# Altium PCB ADC.PcbDoc
Units mm, origin at the board's own origin, x right, y up, seen from the top; angles counter-clockwise.
Board outline 60 x 60 mm, 2 copper layers (Top Layer, Bottom Layer); 26 components, 29 nets, 129 pads, 34 vias.
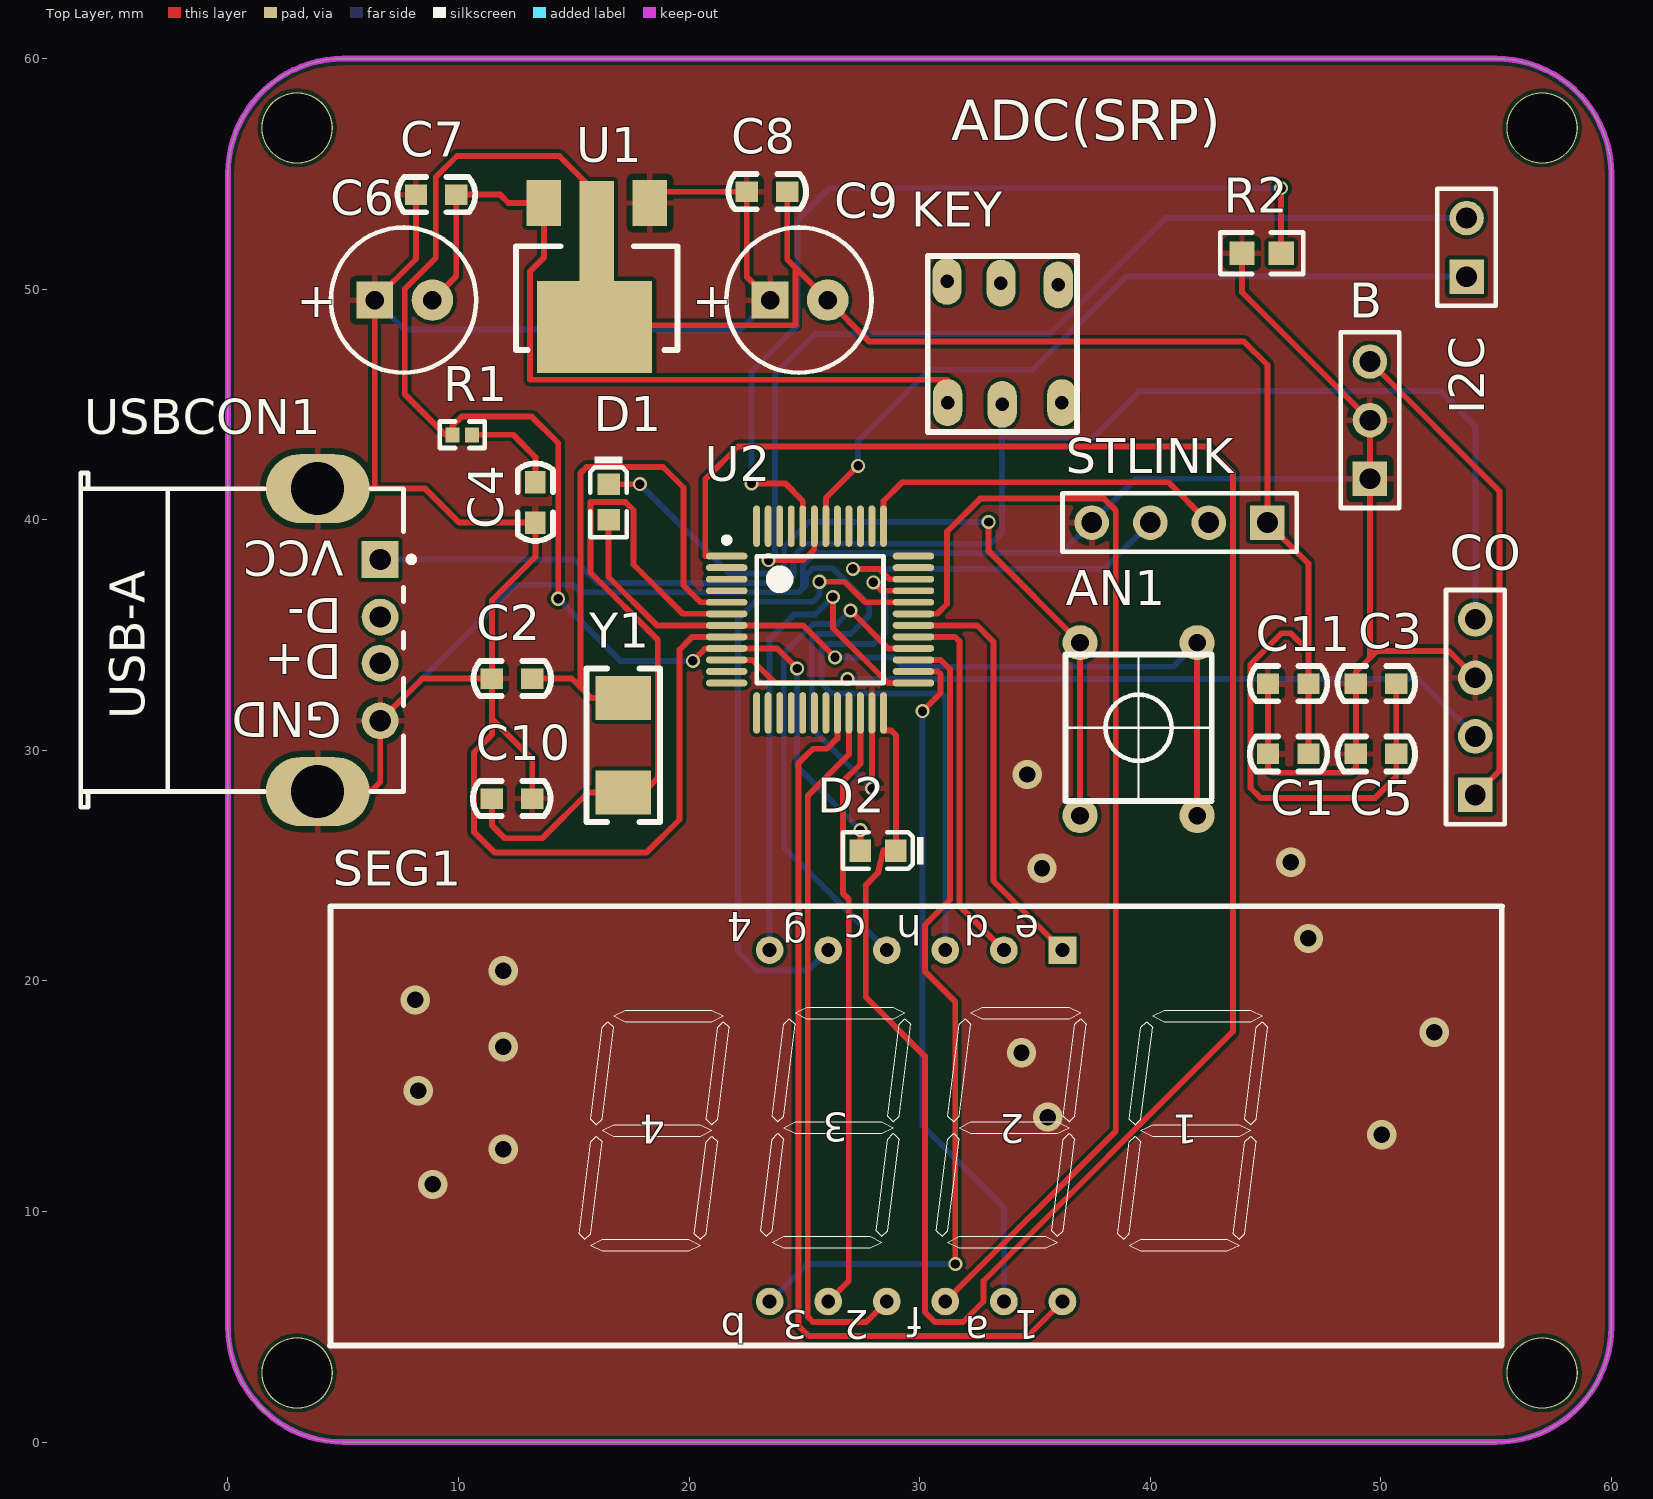
[diagram p0: Top Layer view]
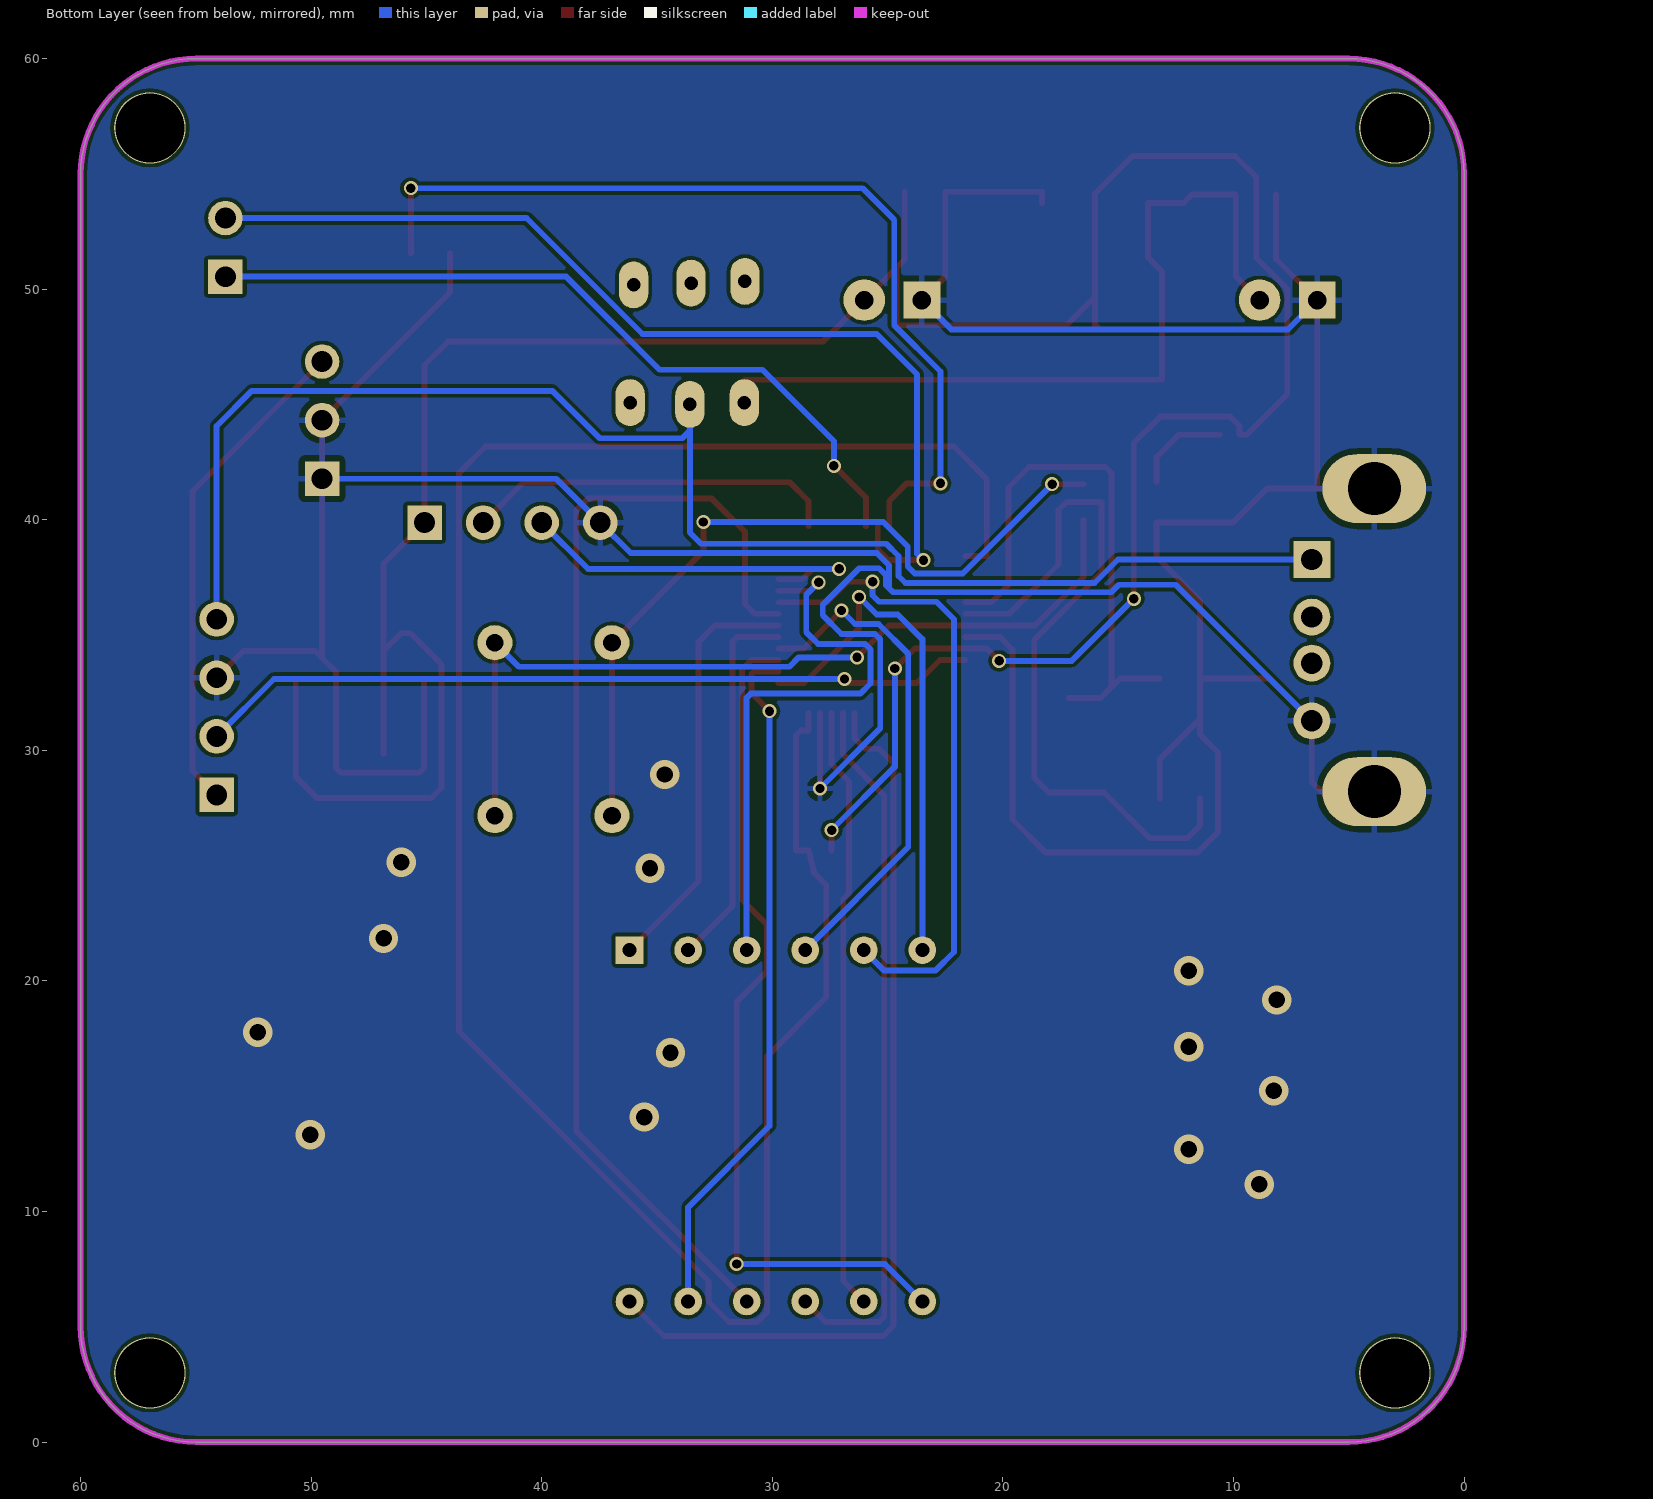
[diagram p1: Bottom Layer view, seen from below]
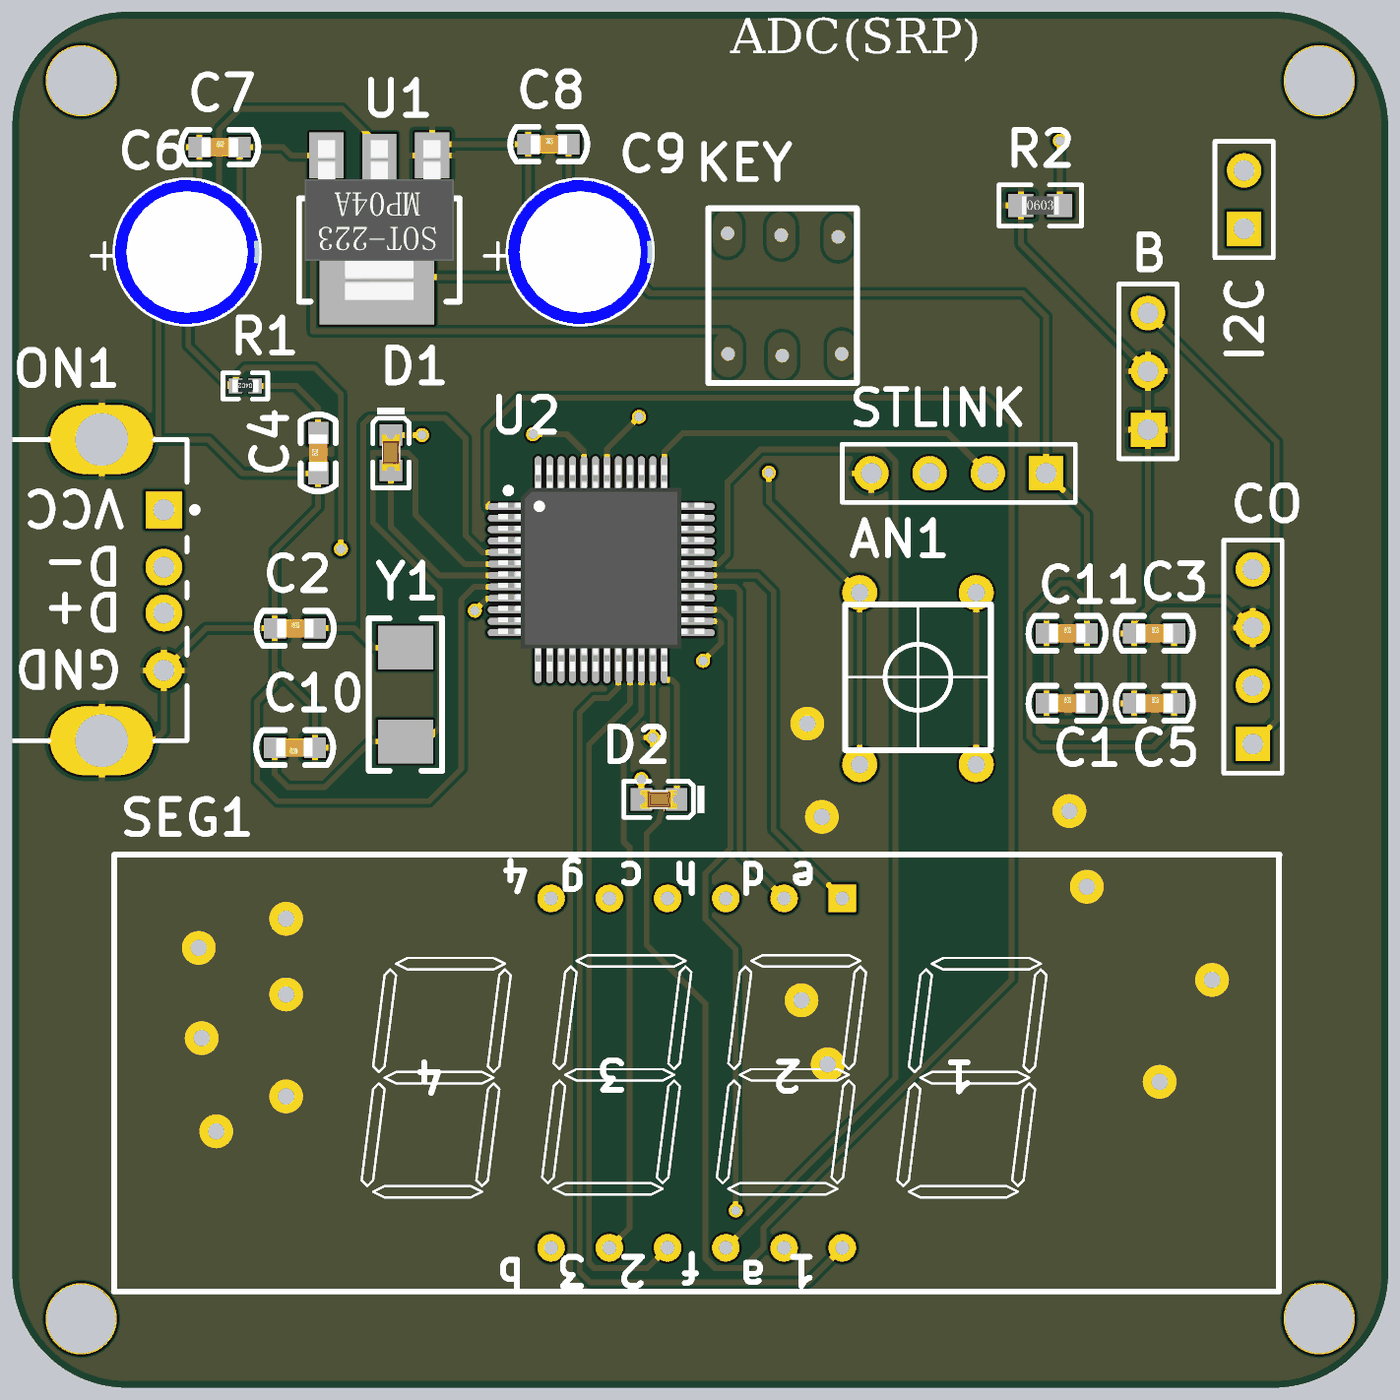
[diagram p2: 3D render of the assembled board from above, using the file's embedded part models]

## Layer stack, top to bottom
Top Solder: solder mask 0.0102, Solder Resist, Dk 3.5
Top Layer: signal copper 0.0356
Dielectric 1: dielectric 0.32, FR-4, Dk 4.8
Bottom Layer: signal copper 0.0356
Bottom Solder: solder mask 0.0102, Solder Resist, Dk 3.5

## Board outline
0,5 ccw(c5,5) 5,0 55,0 ccw(c55,5) 60,5 60,55 ccw(c55,55) 55,60 5,60 ccw(c5,55) 0,55

## Design rules (kind name [scope] priority, off if disabled: settings)
Clearance [All] p1: gap=0.152 ignorepadtopadclearanceinfootprint=FALSE
HoleToHoleClearance [All] p1: gap=0 allowstackedmicrovias=TRUE
MinimumSolderMaskSliver [All] p1: minsoldermaskwidth=0.127
PolygonConnect [All] p1: connectstyle=Relief reliefconductorwidth=0.254 reliefentries=4 polygonreliefangle="90 Angle" airgapwidth=0.254
RoutingVias [All] p1: holewidth=0.406 width=0.61 viastyle="Through Hole" minholewidth=0.406 minwidth=0.61 maxholewidth=0.61 maxwidth=0.813
SilkToSilkClearance [All] p1: silktosilkclearance=0.025
SolderMaskExpansion [All] p1: expansion=0.102
Width [All] p1: maxlimit=0.508 minlimit=0.152 preferedwidth=0.254
27 further rules are at their usual default settings.

## Components (designator, comment, footprint, x,y, rotation, side; value= is the part's Value field where it differs from the comment)
AN1 "Button" BUTTON-DIP 42.037,27.171 r90 top
B "Header 3" HDR1X3 49.53,41.783 r90 top (schematic designator P?)
C1 "Cap Chip 0603" C0603 45.11,29.845 r0 top value=105
C2 "Cap Chip 0603" C0603 11.446,33.117 r0 top value=104
C3 "Cap Chip 0603" C0603 48.92,32.893 r0 top value=105
C4 "Cap Chip 0603" C0603 13.335,39.878 r90 top value=CAP
C5 "Cap Chip 0603" C0603 48.92,29.845 r0 top value=105
C6 "Cap Pol 2.5x6.3" CAPPR2.5-6.3X11 7.62,49.53 r0 top value=100uF
C7 "Cap Chip 0603" C0603 8.153,54.102 r0 top value=105
C8 "Cap Chip 0603" C0603 22.504,54.229 r0 top value=105
C9 "Cap Pol 2.5x6.3" CAPPR2.5-6.3X11 24.765,49.53 r0 top value=100uF
C10 "Cap Chip 0603" C0603 13.199,27.91 r180 top value=104
C11 "Cap Chip 0603" C0603 45.11,32.893 r0 top value=105
CO "Header 4" HDR1X4 54.102,28.067 r90 top (schematic designator P1)
D1 "绿灯 0603" LC-0603_LED_S1 16.51,40.775 r270 top
D2 "红灯 0603" LC-0603_LED_S1 28.202,25.654 r180 top
I2C "Header 2" HDR1X2 53.721,50.546 r90 top
KEY "开关(锁存开关）" 开关(锁存开关） 33.909,47.625 r90 top
R1 "10KΩ (1501) ±1%" LC-0402_R 10.16,43.688 r180 top
R2 "Resistor Chip 0603" R0603 44.831,51.562 r0 top value=10K
SEG1 "R-G-B" 4-SEGMENTS 36.195,21.341 r180 top
STLINK "Header 4" HDR1X4 45.085,39.878 r180 top (schematic designator P2)
U1 "AMS1117-XX" SOT-223-4 16.002,51.054 r90 top
U2 "STM32F103C8T6" LQFP48_N 25.682,35.673 r0 top
USBCON1 "USB-4P" USB-A 6.604,38.282 r180 top
Y1 "8M" LC-SMD-5032_2P 17.145,30.226 r90 top

## Footprints (in the part's own frame and the unit in brackets; to place one, negate y for a bottom-side part, rotate by r counter-clockwise, add the part's x,y. Pads: shape width x height; smd on the part's side, far side on the other; paste and mask are expansions set on the pad)
4-SEGMENTS [mm]
  rect 1.2x1.2 hole 0.6: 1(0,0.005)
  round 1.2 hole 0.6: 2(2.54,0.005) 3(5.08,0.005) 4(7.62,0.005) 5(10.16,0.005) 6(12.7,0.005) 7(12.7,15.245) 8(10.16,15.245) 9(7.62,15.245) 10(5.08,15.245) 11(2.54,15.245) 12(0,15.245)
  silkscreen extent -19.07,-1.9 31.77,17.15, body extent -19.2,-2.03 31.9,17.28, height 5
BUTTON-DIP [mil]
  round 60 hole 30: 1(0,0) 1(295.28,0) 2(0,200) 2(295.28,200)
  silkscreen extent 25,-25 275,225, body extent -29,-30 325,230, height 181
C0603 [mil]
  rect 38x35 smd: 1(0,0) 2(69,0)
  silkscreen extent -31,-30 101,30, body extent 4,-16 67,16, height 12
CAPPR2.5-6.3X11 [mm]
  rect 1.6x1.6 hole 0.8: 1(-1.25,0)
  round 1.8 hole 0.8: 2(1.25,0)
  silkscreen extent -3.15,-3.15 3.15,3.15, body extent -3.15,-3.14 3.15,3.15, height 11
HDR1X2 [mm] "Connector; Header; 2 Position"
  rect 1.5x1.5 hole 0.9: 1(0,0)
  round 1.5 hole 0.9: 2(2.54,0)
  silkscreen extent -1.27,-1.27 3.81,1.27
HDR1X3 [mm] "Connector; Header; 3 Position"
  rect 1.5x1.5 hole 0.9: 1(0,0)
  round 1.5 hole 0.9: 2(2.54,0) 3(5.08,0)
  silkscreen extent -1.27,-1.27 6.35,1.27
HDR1X4 [mm] "Connector; Header; 4 Position"
  rect 1.5x1.5 hole 0.9: 1(0,0)
  round 1.5 hole 0.9: 2(2.54,0) 3(5.08,0) 4(7.62,0)
  silkscreen extent -1.27,-1.27 8.89,1.27
LC-0402_R [mm]
  rect 0.6x0.65 smd mask+0.051: 1(-0.425,0) 2(0.425,0)
  silkscreen extent -0.98,-0.58 0.97,0.58, body extent -0.57,-0.27 0.58,0.28, height 0.41
LC-0603_LED_S1 [mm]
  rect 0.93x0.98 smd: A(0.77,0) K(-0.77,0)
  silkscreen extent -1.98,-0.79 1.54,0.79, body extent -0.8,-0.4 0.8,0.4, height 0.6
LC-SMD-5032_2P [mm]
  rect 1.9x2.4 smd: 1(-2.05,0) 2(2.05,0)
  silkscreen extent -3.32,-1.6 3.33,1.6
LQFP48_N [mm]
  oval 1.8x0.3 smd: 1(-4.05,2.75) 2(-4.05,2.25) 3(-4.05,1.75) 4(-4.05,1.25) 5(-4.05,0.75) 6(-4.05,0.25) 7(-4.05,-0.25) 8(-4.05,-0.75) 9(-4.05,-1.25) 10(-4.05,-1.75) 11(-4.05,-2.25) 12(-4.05,-2.75) 25(4.05,-2.75) 26(4.05,-2.25) 27(4.05,-1.75) 28(4.05,-1.25) 29(4.05,-0.75) 30(4.05,-0.25) 31(4.05,0.25) 32(4.05,0.75) 33(4.05,1.25) 34(4.05,1.75) 35(4.05,2.25) 36(4.05,2.75)
  oval 0.3x1.8 smd: 13(-2.75,-4.05) 14(-2.25,-4.05) 15(-1.75,-4.05) 16(-1.25,-4.05) 17(-0.75,-4.05) 18(-0.25,-4.05) 19(0.25,-4.05) 20(0.75,-4.05) 21(1.25,-4.05) 22(1.75,-4.05) 23(2.25,-4.05) 24(2.75,-4.05) 37(2.75,4.05) 38(2.25,4.05) 39(1.75,4.05) 40(1.25,4.05) 41(0.75,4.05) 42(0.25,4.05) 43(-0.25,4.05) 44(-0.75,4.05) 45(-1.25,4.05) 46(-1.75,4.05) 47(-2.25,4.05) 48(-2.75,4.05)
  silkscreen extent -4.17,-2.75 2.75,3.57, body extent -4.5,-4.44 4.5,4.56, height 1.56
R0603 [mm]
  rect 1.1x1 smd: 1(-0.85,0) 2(0.85,0)
  silkscreen extent -1.8,-0.9 1.8,0.9, body extent -0.8,-0.4 0.8,0.4, height 0.45
SOT-223-4 [mm]
  rect 2x1.5 smd: 1(2.688,-2.3) 3(2.688,2.3)
  rect 4x5 smd: 2(-2.687,0.1)
  rect 5x1.5 smd: 2(1.138,0)
  silkscreen extent -3.69,-3.5 0.81,3.5, body extent -3.61,-3.25 3.35,3.25, height 1.7
USB-A [mm] "Connector; USB1.1, Type A, Thru-Hole; 4 Position; Right Angle"
  rect 1.6x1.6 hole 0.92: 1(0,0)
  round 1.6 hole 0.92: 2(0,2.5) 3(0,4.5) 4(0,7)
  oval 4.5x3 hole 2.3: 5(2.71,10.07) 6(2.71,-3.07)
  silkscreen extent -1.48,-3.75 12.99,10.75
开关(锁存开关） [mil]
  oval 80x50 hole 23.11: 1(-100,106) 2(-103,13) 3(-100,-89) 4(101,-83) 5(104,15) 6(107,107)
  silkscreen extent -150,-115 150,140, body extent -165,-157 170,178, height 551

## Part data
B: "Header, 3-Pin", LatestRevisionDate=17-Jul-2002, LatestRevisionNote="Re-released for DXP Platform.", Publisher="Altium Limited"
C1 C2 C3 C4 C5 C6 C7 C8 C9 C10 C11: "Polarized Capacitor (Radial)", Published=8-Jun-2000, Publisher="Altium Limited", Revision="July-2002: Re-released for DXP Platform."
CO STLINK: "Header, 4-Pin", LatestRevisionDate=17-Jul-2002, LatestRevisionNote="Re-released for DXP Platform.", Publisher="Altium Limited"
D1: library part "0603 绿灯", "发光二极管", Package=0603, SuppliersPartNumber=C72043, ComponentLink1Description=供应商链接, ComponentLink1URL=http://www.szlcsc.com/product/details_73152.html, Supplier=LC
D2: library part "0603 红灯", "发光二极管", Package=0603, SuppliersPartNumber=C2286, ComponentLink1Description=供应商链接, ComponentLink1URL=http://www.szlcsc.com/product/details_2659.html, Supplier=LC
I2C: "Header, 2-Pin", LatestRevisionDate=17-Jul-2002, LatestRevisionNote="Re-released for DXP Platform.", Publisher="Altium Limited"
R1: library part "0402 1.5KΩ (1501) 1%", "贴片电阻", Package=0402, SuppliersPartNumber=C25867, ComponentLink1Description=供应商链接, ComponentLink1URL=http://www.szlcsc.com/product/details_26610.html, Supplier=LC
R2: "Resistor", Published=8-Jun-2000, Publisher="Altium Limited", Revision="July-2002: Re-released for DXP Platform."
SEG1: library part 4-SEGMENTS, "4-BIT-SEGMENTS"
U1: "AMS   800mA LOW DROPOUT VOLTAGE REGULATOR"
U2: "STM32 ARM-based 32-bit MCU with 64 Kbytes Flash, 48-pin LQFP, Industrial Temperature"
USBCON1: "USB CONNECTOR"
Y1: library part "SMD-5032_2P 8MHz 20ppm 20pF", "贴片晶振", Package=SMD-5032_2P, SuppliersPartNumber=C18560, ComponentLink1Description=供应商链接, ComponentLink1URL=http://www.szlcsc.com/product/details_19261.html, Supplier=LC
AN1: LatestRevisionDate=17-Jul-2002, LatestRevisionNote="Re-released for DXP Platform.", PackageReference=SPST-2, Published=24-Mar-1999, Publisher="Altium Limited"

## Free pads (board coordinates)
  round 3.1 hole 3: 1(3,3) 1(3,57) 1(57,3) 1(57,57)

## Via types
v1: diameter 0.61, hole 0.406, Top Layer to Bottom Layer, 20 vias
v2: diameter 1.27, hole 0.711, Top Layer to Bottom Layer, 14 vias

## Nets (pads, with @x,y where several pads share a name; then routed paths per layer and width w, separated by ;. In a path a pad name is that pad's centre, name@x,y a point inside that pad or via, vN(x,y) a via of type N, cw(c..) or ccw(c..) an arc to the next point about the centre after c; other vN are vias at no path point)
3.3v: C1.2 C3.2 C5.2 C8.2 C9.2 C11.2 D2.A R1.2 STLINK.1 U1.2 U2.9 | length 134.7
  Top Layer w0.254: v1(14.326,36.576) 14.326,43.332 13.183,44.475 10.141,44.475 9.735,44.069 R1.2 9.423,43.688 7.671,45.441 7.671,50.013 9.017,51.359 9.017,54.864 9.931,55.778 14.376,55.778 16.002,54.153 16.002,52.192 U1.2@16.002,49.682 ; U1.2@15.902,48.367 16.002,48.367 U1.2@16.002,49.682 ; v1(20.168,33.884) 20.707,34.423 U2.9 23.819,34.423 v1(24.689,33.553) ; C8.2 24.257,51.288 24.613,50.932 ; D2.A v1(27.432,26.543) ; C1.2 C11.2 46.863,34.315 ; C3.2 C5.2 50.673,28.854 49.759,27.94 44.78,27.94 44.348,28.372 44.348,33.731 45.695,35.077 46.101,35.077 46.863,34.315 ; U1.2@16.002,49.682 17.247,48.438 24.613,48.438 24.613,50.932 ; 24.613,50.932 C9.2 27.818,47.727 44.069,47.727 45.085,46.711 STLINK.1 46.863,38.1 46.863,34.315
  Bottom Layer w0.254: v1(14.326,36.576) 17.018,33.884 v1(20.168,33.884) ; v1(24.689,33.553) 24.689,29.286 v1(27.432,26.543)
5V: CO.4 KEY.2 USBCON1.1 | length 64.9
  Bottom Layer w0.254: USBCON1.1 15.01,38.282 16.03,37.262 24.229,37.262 24.533,37.567 24.533,38.433 25.064,38.964 33.096,38.964 33.579,39.446 33.579,43.866 ; KEY.2 33.579,43.866 ; CO.4 54.102,44.069 52.578,45.593 39.548,45.593 37.49,43.536 33.909,43.536 33.579,43.866
GND: B.1 B.2 C1.1 C2.1 C3.1 C4.1 C5.1 C6.1 C7.1 C8.1 C9.1 C10.1 C11.1 CO.3 R2.1 STLINK.4 U1.1 U2.8 U2.23 USBCON1.4 USBCON1.5 USBCON1.6 | length 205.3
  Top Layer w0.254: USBCON1.5 6.19,28.212 6.604,28.626 USBCON1.4 8.439,33.117 C2.1 ; USBCON1.6 6.37,41.352 ; C7.1 8.153,51.313 C6.1 6.37,41.352 ; C10.1 13.199,29.616 11.446,31.369 ; U1.1 18.302,54.229 C8.1 22.504,50.541 C9.1 ; U2.8 20.137,34.923 19.583,34.37 19.583,27 18.161,25.578 11.557,25.578 10.668,26.467 10.668,29.905 11.446,30.683 11.446,31.369 ; v1(27.932,28.346) U2.23 ; R2.1 43.981,49.872 B.2 B.1 49.53,34.011 ; C11.1 C1.1 45.11,29.235 45.314,29.032 48.717,29.032 48.92,29.235 C5.1 C3.1 48.92,33.401 49.53,34.011 ; CO.3 52.934,34.315 49.835,34.315 49.53,34.011 ; 6.37,41.352 8.56,41.352 10.034,39.878 C4.1 13.335,38.388 11.446,36.5 C2.1 ; 11.446,31.369 C2.1
  Bottom Layer w0.254: C6.1 7.64,48.26 22.245,48.26 C9.1 ; USBCON1.4 12.503,37.181 14.972,37.181 15.298,36.855 24.761,36.855 ; v1(27.932,28.346) 25.324,30.955 25.324,34.823 25.552,35.052 27,35.052 27.813,35.865 27.813,36.322 26.238,37.897 25.375,37.897 25.07,37.592 25.07,37.16 24.765,36.855 24.761,36.855 ; B.1 39.37,41.783 STLINK.4 36.144,38.557 25.47,38.557 24.94,38.027 24.94,37.034 24.761,36.855
  other v2: 8.89,11.176 11.938,12.7 50.038,13.335 35.56,14.097 8.255,15.24 34.417,16.891 11.938,17.145 52.324,17.78 8.128,19.177 11.938,20.447 46.863,21.844 35.306,24.892 46.101,25.146 34.671,28.956
NetAN1_2: AN1.2 D1.K | length 33.9
  Top Layer w0.254: D1.K v1(17.866,41.545) ; v1(32.995,39.903) 32.995,38.633 36.957,34.671 AN1.2@36.957,27.171
  Bottom Layer w0.254: v1(17.866,41.545) 21.742,37.668 23.822,37.668 24.127,37.973 24.127,38.84 25.191,39.903 v1(32.995,39.903)
NetB_3: B.3 CO.1 | length 21.6
  Top Layer w0.254: B.3 55.143,41.25 55.143,29.108 CO.1
NetC4_2: C4.2 R1.1 | length 4.2
  Top Layer w0.254: R1.1 12.37,43.688 13.335,42.723 C4.2
NetC6_2: C6.2 C7.2 KEY.1 U1.3 | length 36
  Top Layer w0.254: C6.2 9.906,50.566 C7.2 11.811,54.102 12.171,53.742 U1.3 13.702,51.37 13.106,50.775 13.106,46.076 31.217,46.076 KEY.1
NetCO_2: CO.2 U2.10 | length 34
  Top Layer w0.254: U2.10 22.733,33.923 23.738,32.918 26.695,32.918 v1(26.873,33.096)
  Bottom Layer w0.254: v1(26.873,33.096) 51.613,33.096 CO.2
NetD2_K: D2.K U2.1 U2.24 | length 100
  Top Layer w0.254: U2.1 20.701,38.423 20.701,41.758 22.123,43.18 42.443,43.18 43.586,42.037 43.586,17.805 32.766,6.985 32.766,6.096 31.877,5.207 30.658,5.207 30.226,5.639 30.226,16.739 27.661,19.304 27.661,24.155 28.194,24.689 28.423,25.654 D2.K 28.972,30.658 28.769,30.861 28.432,30.861 U2.24
NetI2C_1: I2C.1 U2.42 | length 33.6
  Top Layer w0.254: U2.42 25.932,40.943 v1(27.33,42.342)
  Bottom Layer w0.254: v1(27.33,42.342) 27.33,43.409 30.429,46.507 34.9,46.507 38.938,50.546 I2C.1
NetI2C_2: I2C.2 U2.43 | length 44.2
  Top Layer w0.254: v1(23.444,38.252) 24.968,38.252 25.432,38.716 U2.43
  Bottom Layer w0.254: v1(23.444,38.252) 23.721,38.529 23.721,46.301 25.476,48.057 35.636,48.057 40.665,53.086 I2C.2
NetR2_2: R2.2 U2.44 | length 40.3
  Top Layer w0.254: v1(22.708,41.58) 24.17,41.58 24.932,40.818 U2.44 ; R2.2 v1(45.681,54.381)
  Bottom Layer w0.254: v1(22.708,41.58) 22.708,46.431 24.714,48.438 24.714,53.01 26.086,54.381 v1(45.681,54.381)
NetSTLINK_2: STLINK.2 U2.37 | length 16.3
  Top Layer w0.254: U2.37 28.432,40.818 29.245,41.631 40.792,41.631 STLINK.2
NetSTLINK_3: STLINK.3 U2.34 | length 16.6
  Top Layer w0.254: v1(27.102,37.871) 28.245,37.871 28.693,37.423 U2.34
  Bottom Layer w0.254: v1(27.102,37.871) 37.998,37.871 STLINK.3
NRST: AN1.1 D1.A U2.7 | length 37.6
  Top Layer w0.254: D1.A 16.51,37.516 18.603,35.423 U2.7 24.943,35.423 v1(26.33,34.036) ; AN1.1@42.037,27.171 AN1.1@42.037,34.671
  Bottom Layer w0.254: v1(26.33,34.036) 28.854,34.036 29.26,33.63 40.996,33.63 AN1.1@42.037,34.671
"OSC8M IN": C2.2 U2.5 Y1.2 | length 25
  Top Layer w0.254: C2.2 14.914,33.117 15.298,32.733 ; Y1.2 15.755,32.276 15.298,32.733 ; U2.5 20.498,36.423 19.761,37.16 19.761,41.402 18.872,42.291 15.552,42.291 15.298,42.037 15.298,32.733
"OSC8M OUT": C10.2 U2.6 Y1.1 | length 32.1
  Top Layer w0.254: C10.2 11.446,26.748 12.007,26.187 13.632,26.187 15.621,28.176 Y1.1 18.016,28.176 18.644,28.804 18.644,34.798 15.723,37.719 15.723,40.767 17.247,40.767 17.586,40.427 17.586,38.065 19.728,35.923 U2.6
PA8: SEG1.2 U2.29 | length 16.3
  Top Layer w0.254: U2.29 31.532,34.923 31.725,34.73 31.725,23.266 SEG1.2
PA9: SEG1.1 U2.30 | length 18.4
  Top Layer w0.254: U2.30 32.487,35.423 33.198,34.712 33.198,24.333 SEG1.1
PA10: SEG1.10 U2.31 | length 50.3
  Top Layer w0.254: U2.31 30.767,35.923 31.191,36.347 31.191,39.486 32.625,40.919 37.998,40.919 38.506,40.411 38.506,13.487 SEG1.10
PA11: SEG1.5 U2.32 | length 28
  Top Layer w0.254: v1(25.654,37.313) 26.746,37.313 27.636,36.423 U2.32
  Bottom Layer w0.254: v1(25.654,37.313) 25.654,36.728 25.375,36.449 22.885,36.449 22.123,35.687 22.123,21.26 22.936,20.447 25.146,20.447 SEG1.5
PA12: SEG1.3 U2.33 | length 25.4
  Top Layer w0.254: v1(27.991,37.287) 28.355,36.923 U2.33
  Bottom Layer w0.254: v1(27.991,37.287) 28.531,36.747 28.531,35.128 28.023,34.62 25.984,34.62 25.746,34.382 25.746,32.903 26.187,32.461 30.937,32.461 31.115,32.283 SEG1.3
PB2: SEG1.12 U2.20 | length 39.9
  Top Layer w0.254: U2.20 26.432,30.521 25.984,30.074 25.375,30.074 24.74,29.439 24.74,5.055 25.197,4.597 34.696,4.597 SEG1.12
PB10: SEG1.9 U2.21 | length 30.8
  Top Layer w0.254: U2.21 26.932,29.824 25.146,28.038 25.146,5.436 25.375,5.207 27.686,5.207 SEG1.9
PB11: SEG1.8 U2.22 | length 26.3
  Top Layer w0.254: SEG1.8 26.924,6.985 26.924,23.546 26.67,23.8 26.67,28.651 27.432,29.413 U2.22
PB12: SEG1.6 U2.25 | length 22.8
  Top Layer w0.254: v1(26.238,36.652) 26.238,35.311 28.626,32.923 U2.25
  Bottom Layer w0.254: SEG1.6 23.495,34.823 24.562,35.89 25.476,35.89 v1(26.238,36.652)
PB13: SEG1.11 U2.26 | length 30.2
  Top Layer w0.254: U2.26 30.785,33.423 30.911,33.296 30.911,32.487 v1(30.124,31.699)
  Bottom Layer w0.254: v1(30.124,31.699) 30.124,13.716 33.655,10.185 SEG1.11
PB14: SEG1.7 U2.27 | length 37.3
  Top Layer w0.254: U2.27 30.912,33.923 31.318,33.517 31.318,23.52 30.226,22.428 30.226,20.422 31.547,19.101 v1(31.547,7.722)
  Bottom Layer w0.254: SEG1.7 25.121,7.722 v1(31.547,7.722)
PB15: SEG1.4 U2.28 | length 21.8
  Top Layer w0.254: v1(27,36.068) 28.645,34.423 U2.28
  Bottom Layer w0.254: v1(27,36.068) 26.416,35.484 25.4,35.484 24.105,34.188 24.105,25.806 SEG1.4
pads on no net: KEY.3 KEY.4 KEY.5 KEY.6 U2.2 U2.3 U2.4 U2.11 U2.12 U2.13 U2.14 U2.15 U2.16 U2.17 U2.18 U2.19 U2.35 U2.36 U2.38 U2.39 U2.40 U2.41 U2.45 U2.46 U2.47 U2.48 USBCON1.2 USBCON1.3

## Polygon pours and split planes (outlines as drawn)
GND on Top Layer "Top Overlay-No Net" (solid, remove dead copper, pour order 0): -12.319,62.23 70.104,62.23 71.882,60.452 66.04,54.61 66.04,-2.159 -9.398,-2.159 -9.652,-1.905
GND on Bottom Layer "Top Overlay-No Net" (solid, remove dead copper, pour order 4): -12.192,62.103 68.326,62.103 66.167,59.944 66.167,-2.54 -3.429,-2.54 -12.192,6.223

## Keep-outs
Keep-Out Layer:
  the board outline again, w0.254

## Silkscreen, mask and mechanical layers (free items; w line width, h text height)
Top Overlay:
  text "ADC(SRP)" at 31.369,55.88 h3

## Text inside footprints (layer, text, board x,y; h text height)
C6: Top Overlay "+" at 2.995,48.78 h1.5
C9: Top Overlay "+" at 20.14,48.78 h1.5
SEG1: Top Overlay "e" at 35.179,22.86 h1.27 r180; Top Overlay "d" at 33.02,22.86 h1.27 r180; Top Overlay "h" at 30.099,22.86 h1.27 r180; Top Overlay "c" at 27.686,22.86 h1.27 r180; Top Overlay "g" at 25.146,22.606 h1.27 r180; Top Overlay "4" at 22.733,22.987 h1.27 r180; Top Overlay "1" at 35.179,5.715 h1.27 r180; Top Overlay "a" at 33.02,5.461 h1.27 r180; Top Overlay "f" at 30.099,5.842 h1.27 r180; Top Overlay "2" at 27.813,5.715 h1.27 r180; Top Overlay "3" at 25.146,5.715 h1.27 r180; Top Overlay "b" at 22.479,5.588 h1.27 r180; Top Overlay "1" at 42.062,14.199 h1.27 r180; Top Overlay "2" at 34.569,14.224 h1.27 r180; Top Overlay "3" at 26.899,14.275 h1.27 r180; Top Overlay "4" at 18.974,14.199 h1.27 r180
USBCON1: Top Overlay "GND" at 4.934,32.098 h1.52 r180; Top Overlay "D+" at 4.934,34.598 h1.52 r180; Top Overlay "D-" at 4.934,36.598 h1.52 r180; Top Overlay "VCC" at 5.034,39.098 h1.52 r180; Top Overlay "USB-A" at -3.606,31.352 h1.52 r90